# KiCad board keybird42.kicad_pcb
title: keybird42; date: 2024-01-23; rev: 2
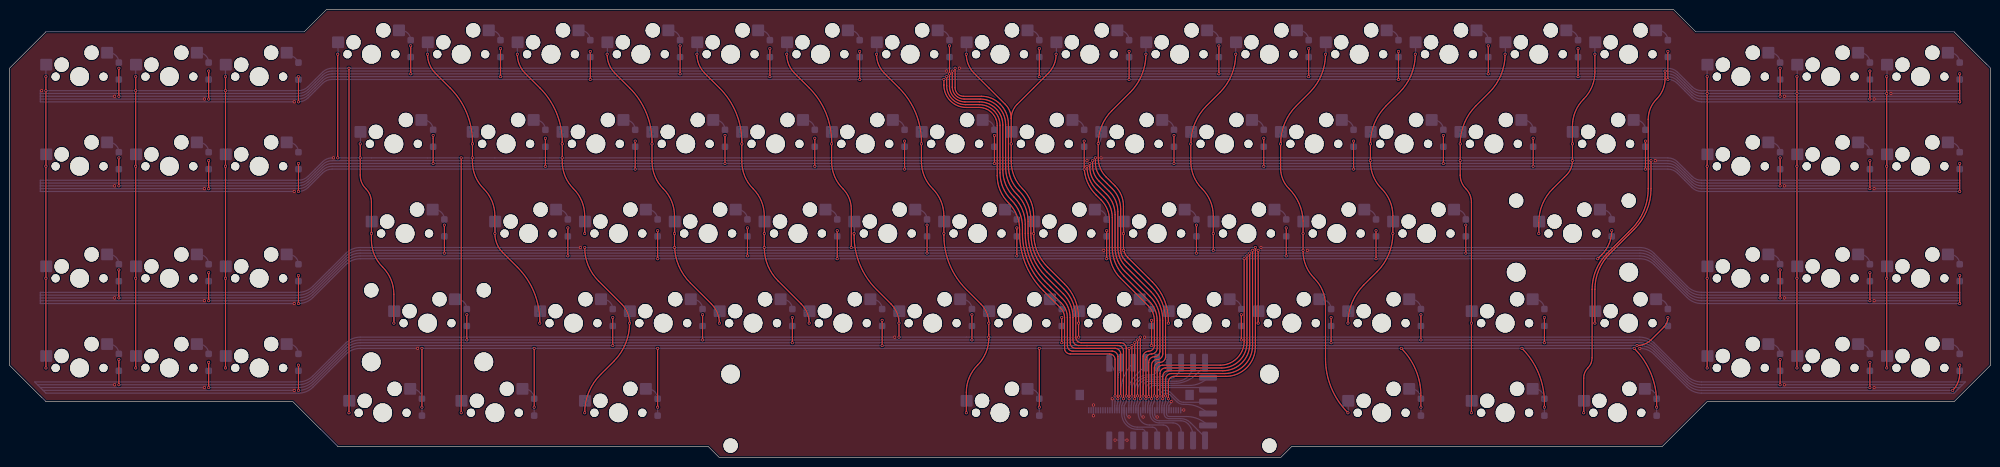
[diagram p0: board, top side]
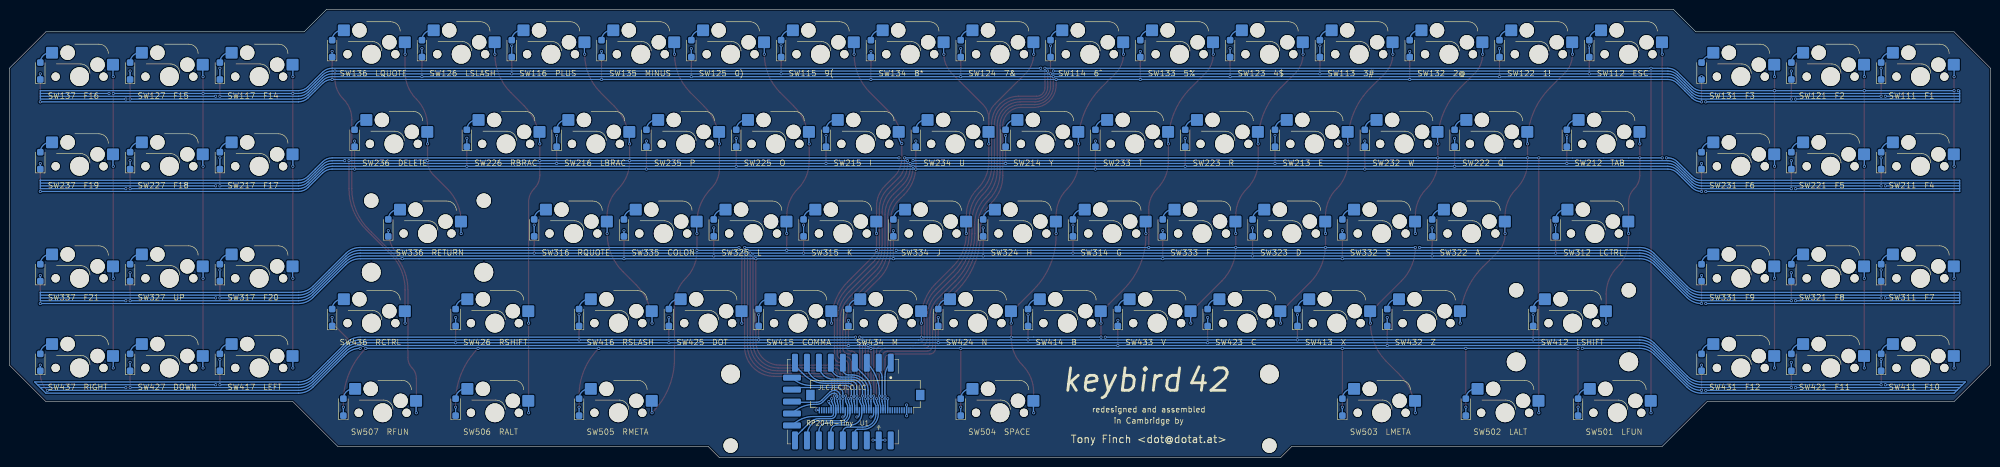
[diagram p1: board, bottom side, seen from below]

Outline 420.29 x 95.25 mm; copper layers: Top, Bottom. Coordinates in mm from the lower left corner of the outline.
Outline path: 0,82.75 0,19.65 7.74,11.91 60.13,11.91 69.65,2.38 148.23,2.38 150.61,0 269.68,0 272.06,2.38 350.64,2.38 360.16,11.91 412.55,11.91 420.29,19.65 420.29,82.75 412.55,90.49 357.78,90.49 353.02,95.25 67.27,95.25 62.51,90.49 7.74,90.49 0,82.75

## Placement (name value [footprint] x y rotation side)
D111  1N4148W  [D_SOD-123_HandSolder_Back]  23.22 82.15 0 top
D112  1N4148W  [D_SOD-123_HandSolder_Back]  85.13 86.92 0 top
D113  1N4148W  [D_SOD-123_HandSolder_Back]  142.28 86.92 0 top
D114  1N4148W  [D_SOD-123_HandSolder_Back]  199.43 86.92 0 top
D115  1N4148W  [D_SOD-123_HandSolder_Back]  256.58 86.92 0 top
D116  1N4148W  [D_SOD-123_HandSolder_Back]  313.73 86.92 0 top
D117  1N4148W  [D_SOD-123_HandSolder_Back]  375.64 82.15 0 top
D121  1N4148W  [D_SOD-123_HandSolder_Back]  42.27 82.15 0 top
D122  1N4148W  [D_SOD-123_HandSolder_Back]  104.18 86.92 0 top
D123  1N4148W  [D_SOD-123_HandSolder_Back]  161.33 86.92 0 top
D124  1N4148W  [D_SOD-123_HandSolder_Back]  218.48 86.92 0 top
D125  1N4148W  [D_SOD-123_HandSolder_Back]  275.63 86.92 0 top
D126  1N4148W  [D_SOD-123_HandSolder_Back]  332.78 86.92 0 top
D127  1N4148W  [D_SOD-123_HandSolder_Back]  394.69 82.15 0 top
D131  1N4148W  [D_SOD-123_HandSolder_Back]  61.32 82.15 0 top
D132  1N4148W  [D_SOD-123_HandSolder_Back]  123.23 86.92 0 top
D133  1N4148W  [D_SOD-123_HandSolder_Back]  180.38 86.92 0 top
D134  1N4148W  [D_SOD-123_HandSolder_Back]  237.53 86.92 0 top
D135  1N4148W  [D_SOD-123_HandSolder_Back]  294.68 86.92 0 top
D136  1N4148W  [D_SOD-123_HandSolder_Back]  351.83 86.92 0 top
D137  1N4148W  [D_SOD-123_HandSolder_Back]  413.74 82.15 0 top
D211  1N4148W  [D_SOD-123_HandSolder_Back]  23.22 63.1 0 top
D212  1N4148W  [D_SOD-123_HandSolder_Back]  89.89 67.87 0 top
D213  1N4148W  [D_SOD-123_HandSolder_Back]  151.8 67.87 0 top
D214  1N4148W  [D_SOD-123_HandSolder_Back]  208.95 67.87 0 top
D215  1N4148W  [D_SOD-123_HandSolder_Back]  247.05 67.87 0 top
D216  1N4148W  [D_SOD-123_HandSolder_Back]  304.2 67.87 0 top
D217  1N4148W  [D_SOD-123_HandSolder_Back]  375.64 63.1 0 top
D221  1N4148W  [D_SOD-123_HandSolder_Back]  42.27 63.1 0 top
D222  1N4148W  [D_SOD-123_HandSolder_Back]  113.7 67.87 0 top
D223  1N4148W  [D_SOD-123_HandSolder_Back]  170.85 67.87 0 top
D225  1N4148W  [D_SOD-123_HandSolder_Back]  266.1 67.87 0 top
D226  1N4148W  [D_SOD-123_HandSolder_Back]  323.25 67.87 0 top
D227  1N4148W  [D_SOD-123_HandSolder_Back]  394.69 63.1 0 top
D231  1N4148W  [D_SOD-123_HandSolder_Back]  61.32 63.1 0 top
D232  1N4148W  [D_SOD-123_HandSolder_Back]  132.75 67.87 0 top
D233  1N4148W  [D_SOD-123_HandSolder_Back]  189.9 67.87 0 top
D234  1N4148W  [D_SOD-123_HandSolder_Back]  228 67.87 0 top
D235  1N4148W  [D_SOD-123_HandSolder_Back]  285.15 67.87 0 top
D236  1N4148W  [D_SOD-123_HandSolder_Back]  347.07 67.87 0 top
D237  1N4148W  [D_SOD-123_HandSolder_Back]  413.74 63.1 0 top
D311  1N4148W  [D_SOD-123_HandSolder_Back]  23.22 39.29 0 top
D312  1N4148W  [D_SOD-123_HandSolder_Back]  92.27 48.82 0 top
D314  1N4148W  [D_SOD-123_HandSolder_Back]  194.67 48.82 0 top
D315  1N4148W  [D_SOD-123_HandSolder_Back]  251.82 48.82 0 top
D316  1N4148W  [D_SOD-123_HandSolder_Back]  308.97 48.82 0 top
D317  1N4148W  [D_SOD-123_HandSolder_Back]  375.64 39.29 0 top
D321  1N4148W  [D_SOD-123_HandSolder_Back]  42.27 39.29 0 top
D322  1N4148W  [D_SOD-123_HandSolder_Back]  118.47 48.82 0 top
D323  1N4148W  [D_SOD-123_HandSolder_Back]  156.57 48.82 0 top
D324  1N4148W  [D_SOD-123_HandSolder_Back]  213.72 48.82 0 top
D325  1N4148W  [D_SOD-123_HandSolder_Back]  270.87 48.82 0 top
D327  1N4148W  [D_SOD-123_HandSolder_Back]  394.69 39.29 0 top
D331  1N4148W  [D_SOD-123_HandSolder_Back]  61.32 39.29 0 top
D332  1N4148W  [D_SOD-123_HandSolder_Back]  137.52 48.82 0 top
D333  1N4148W  [D_SOD-123_HandSolder_Back]  175.62 48.82 0 top
D334  1N4148W  [D_SOD-123_HandSolder_Back]  232.77 48.82 0 top
D335  1N4148W  [D_SOD-123_HandSolder_Back]  289.92 48.82 0 top
D336  1N4148W  [D_SOD-123_HandSolder_Back]  339.92 48.82 0 top
D337  1N4148W  [D_SOD-123_HandSolder_Back]  413.74 39.29 0 top
D411  1N4148W  [D_SOD-123_HandSolder_Back]  23.22 20.24 0 top
D412  1N4148W  [D_SOD-123_HandSolder_Back]  97.04 29.77 0 top
D413  1N4148W  [D_SOD-123_HandSolder_Back]  147.04 29.77 0 top
D414  1N4148W  [D_SOD-123_HandSolder_Back]  204.19 29.77 0 top
D415  1N4148W  [D_SOD-123_HandSolder_Back]  261.34 29.77 0 top
D416  1N4148W  [D_SOD-123_HandSolder_Back]  299.44 29.77 0 top
D417  1N4148W  [D_SOD-123_HandSolder_Back]  375.64 20.24 0 top
D421  1N4148W  [D_SOD-123_HandSolder_Back]  42.27 20.24 0 top
D423  1N4148W  [D_SOD-123_HandSolder_Back]  166.09 29.77 0 top
D424  1N4148W  [D_SOD-123_HandSolder_Back]  223.24 29.77 0 top
D425  1N4148W  [D_SOD-123_HandSolder_Back]  280.39 29.77 0 top
D426  1N4148W  [D_SOD-123_HandSolder_Back]  325.64 29.77 0 top
D427  1N4148W  [D_SOD-123_HandSolder_Back]  394.69 20.24 0 top
D431  1N4148W  [D_SOD-123_HandSolder_Back]  61.32 20.24 0 top
D432  1N4148W  [D_SOD-123_HandSolder_Back]  127.99 29.77 0 top
D433  1N4148W  [D_SOD-123_HandSolder_Back]  185.14 29.77 0 top
D434  1N4148W  [D_SOD-123_HandSolder_Back]  242.29 29.77 0 top
D436  1N4148W  [D_SOD-123_HandSolder_Back]  351.83 29.77 0 top
D437  1N4148W  [D_SOD-123_HandSolder_Back]  413.74 20.24 0 top
D501  1N4148W  [D_SOD-123_HandSolder_Back]  87.51 10.72 0 top
D502  1N4148W  [D_SOD-123_HandSolder_Back]  111.32 10.72 0 top
D503  1N4148W  [D_SOD-123_HandSolder_Back]  137.52 10.72 0 top
D504  1N4148W  [D_SOD-123_HandSolder_Back]  218.48 10.72 0 top
D505  1N4148W  [D_SOD-123_HandSolder_Back]  299.44 10.72 0 top
D506  1N4148W  [D_SOD-123_HandSolder_Back]  325.64 10.72 0 top
D507  1N4148W  [D_SOD-123_HandSolder_Back]  349.45 10.72 0 top
J1  piinch FFC  [Hirose_FH12-40S-0.5SH_1x40-1MP_P0.50mm_Horizontal]  238.72 11.91 0 bottom
SW111  F1  [SW_Hotswap_Kailh_MX_1.00u]  14.88 80.96 0 top
SW112  ESC  [SW_Hotswap_Kailh_MX_1.00u]  76.8 85.73 0 top
SW113  3#  [SW_Hotswap_Kailh_MX_1.00u]  133.95 85.73 0 top
SW114  6^  [SW_Hotswap_Kailh_MX_1.00u]  191.1 85.73 0 top
SW115  9(  [SW_Hotswap_Kailh_MX_1.00u]  248.25 85.73 0 top
SW116  PLUS  [SW_Hotswap_Kailh_MX_1.00u]  305.4 85.73 0 top
SW117  F14  [SW_Hotswap_Kailh_MX_1.00u]  367.31 80.96 0 top
SW121  F2  [SW_Hotswap_Kailh_MX_1.00u]  33.93 80.96 0 top
SW122  1!  [SW_Hotswap_Kailh_MX_1.00u]  95.85 85.73 0 top
SW123  4$  [SW_Hotswap_Kailh_MX_1.00u]  153 85.73 0 top
SW124  7&  [SW_Hotswap_Kailh_MX_1.00u]  210.15 85.73 0 top
SW125  0)  [SW_Hotswap_Kailh_MX_1.00u]  267.3 85.73 0 top
SW126  LSLASH  [SW_Hotswap_Kailh_MX_1.00u]  324.45 85.73 0 top
SW127  F15  [SW_Hotswap_Kailh_MX_1.00u]  386.36 80.96 0 top
SW131  F3  [SW_Hotswap_Kailh_MX_1.00u]  52.98 80.96 0 top
SW132  2@  [SW_Hotswap_Kailh_MX_1.00u]  114.9 85.73 0 top
SW133  5%  [SW_Hotswap_Kailh_MX_1.00u]  172.05 85.73 0 top
SW134  8*  [SW_Hotswap_Kailh_MX_1.00u]  229.2 85.73 0 top
SW135  MINUS  [SW_Hotswap_Kailh_MX_1.00u]  286.35 85.73 0 top
SW136  LQUOTE  [SW_Hotswap_Kailh_MX_1.00u]  343.5 85.73 0 top
SW137  F16  [SW_Hotswap_Kailh_MX_1.00u]  405.41 80.96 0 top
SW211  F4  [SW_Hotswap_Kailh_MX_1.00u]  14.88 61.91 0 top
SW212  TAB  [SW_Hotswap_Kailh_MX_1.50u]  81.56 66.68 0 top
SW213  E  [SW_Hotswap_Kailh_MX_1.00u]  143.47 66.68 0 top
SW214  Y  [SW_Hotswap_Kailh_MX_1.00u]  200.62 66.68 0 top
SW215  I  [SW_Hotswap_Kailh_MX_1.00u]  238.72 66.68 0 top
SW216  LBRAC  [SW_Hotswap_Kailh_MX_1.00u]  295.87 66.68 0 top
SW217  F17  [SW_Hotswap_Kailh_MX_1.00u]  367.31 61.91 0 top
SW221  F5  [SW_Hotswap_Kailh_MX_1.00u]  33.93 61.91 0 top
SW222  Q  [SW_Hotswap_Kailh_MX_1.00u]  105.37 66.68 0 top
SW223  R  [SW_Hotswap_Kailh_MX_1.00u]  162.52 66.68 0 top
SW225  O  [SW_Hotswap_Kailh_MX_1.00u]  257.77 66.68 0 top
SW226  RBRAC  [SW_Hotswap_Kailh_MX_1.00u]  314.92 66.68 0 top
SW227  F18  [SW_Hotswap_Kailh_MX_1.00u]  386.36 61.91 0 top
SW231  F6  [SW_Hotswap_Kailh_MX_1.00u]  52.98 61.91 0 top
SW232  W  [SW_Hotswap_Kailh_MX_1.00u]  124.42 66.68 0 top
SW233  T  [SW_Hotswap_Kailh_MX_1.00u]  181.57 66.68 0 top
SW234  U  [SW_Hotswap_Kailh_MX_1.00u]  219.67 66.68 0 top
SW235  P  [SW_Hotswap_Kailh_MX_1.00u]  276.82 66.68 0 top
SW236  DELETE  [SW_Hotswap_Kailh_MX_1.50u]  338.73 66.68 0 top
SW237  F19  [SW_Hotswap_Kailh_MX_1.00u]  405.41 61.91 0 top
SW311  F7  [SW_Hotswap_Kailh_MX_1.00u]  14.88 38.1 0 top
SW312  LCTRL  [SW_Hotswap_Kailh_MX_1.75u]  83.94 47.63 0 top
SW314  G  [SW_Hotswap_Kailh_MX_1.00u]  186.33 47.63 0 top
SW315  K  [SW_Hotswap_Kailh_MX_1.00u]  243.48 47.63 0 top
SW316  RQUOTE  [SW_Hotswap_Kailh_MX_1.00u]  300.63 47.63 0 top
SW317  F20  [SW_Hotswap_Kailh_MX_1.00u]  367.31 38.1 0 top
SW321  F8  [SW_Hotswap_Kailh_MX_1.00u]  33.93 38.1 0 top
SW322  A  [SW_Hotswap_Kailh_MX_1.00u]  110.13 47.63 0 top
SW323  D  [SW_Hotswap_Kailh_MX_1.00u]  148.23 47.63 0 top
SW324  H  [SW_Hotswap_Kailh_MX_1.00u]  205.38 47.63 0 top
SW325  L  [SW_Hotswap_Kailh_MX_1.00u]  262.53 47.63 0 top
SW327  UP  [SW_Hotswap_Kailh_MX_1.00u]  386.36 38.1 0 top
SW331  F9  [SW_Hotswap_Kailh_MX_1.00u]  52.98 38.1 0 top
SW332  S  [SW_Hotswap_Kailh_MX_1.00u]  129.18 47.63 0 top
SW333  F  [SW_Hotswap_Kailh_MX_1.00u]  167.28 47.63 0 top
SW334  J  [SW_Hotswap_Kailh_MX_1.00u]  224.43 47.63 0 top
SW335  COLON  [SW_Hotswap_Kailh_MX_1.00u]  281.58 47.63 0 top
SW336  RETURN  [SW_Hotswap_Kailh_MX_2.25u]  331.59 47.63 0 top
SW337  F21  [SW_Hotswap_Kailh_MX_1.00u]  405.41 38.1 0 top
SW411  F10  [SW_Hotswap_Kailh_MX_1.00u]  14.88 19.05 0 top
SW412  LSHIFT  [SW_Hotswap_Kailh_MX_2.25u]  88.7 28.58 0 top
SW413  X  [SW_Hotswap_Kailh_MX_1.00u]  138.71 28.58 0 top
SW414  B  [SW_Hotswap_Kailh_MX_1.00u]  195.86 28.58 0 top
SW415  COMMA  [SW_Hotswap_Kailh_MX_1.00u]  253.01 28.58 0 top
SW416  RSLASH  [SW_Hotswap_Kailh_MX_1.00u]  291.11 28.58 0 top
SW417  LEFT  [SW_Hotswap_Kailh_MX_1.00u]  367.31 19.05 0 top
SW421  F11  [SW_Hotswap_Kailh_MX_1.00u]  33.93 19.05 0 top
SW423  C  [SW_Hotswap_Kailh_MX_1.00u]  157.76 28.58 0 top
SW424  N  [SW_Hotswap_Kailh_MX_1.00u]  214.91 28.58 0 top
SW425  DOT  [SW_Hotswap_Kailh_MX_1.00u]  272.06 28.58 0 top
SW426  RSHIFT  [SW_Hotswap_Kailh_MX_1.75u]  317.3 28.58 0 top
SW427  DOWN  [SW_Hotswap_Kailh_MX_1.00u]  386.36 19.05 0 top
SW431  F12  [SW_Hotswap_Kailh_MX_1.00u]  52.98 19.05 0 top
SW432  Z  [SW_Hotswap_Kailh_MX_1.00u]  119.66 28.58 0 top
SW433  V  [SW_Hotswap_Kailh_MX_1.00u]  176.81 28.58 0 top
SW434  M  [SW_Hotswap_Kailh_MX_1.00u]  233.96 28.58 0 top
SW436  RCTRL  [SW_Hotswap_Kailh_MX_1.00u]  343.5 28.58 0 top
SW437  RIGHT  [SW_Hotswap_Kailh_MX_1.00u]  405.41 19.05 0 top
SW501  LFUN  [SW_Hotswap_Kailh_MX_1.25u]  79.18 9.53 0 top
SW502  LALT  [SW_Hotswap_Kailh_MX_1.25u]  102.99 9.53 0 top
SW503  LMETA  [SW_Hotswap_Kailh_MX_1.50u]  129.18 9.53 0 top
SW504  SPACE  [SW_Hotswap_Kailh_MX_7.00u]  210.15 9.53 0 top
SW505  RMETA  [SW_Hotswap_Kailh_MX_1.50u]  291.11 9.53 0 top
SW506  RALT  [SW_Hotswap_Kailh_MX_1.25u]  317.3 9.53 0 top
SW507  RFUN  [SW_Hotswap_Kailh_MX_1.25u]  341.11 9.53 0 top
U1  -  [RP2040-Tiny]  243.48 11.91 0 top

## Library data of the parts
D111-D117 D121-D127 D131-D137 D211-D217 D221-D223 D225-D227 D231-D237 D311 D312 D314-D317 D321-D325 D327 D331-D337 D411-D417 D421 D423-D427 D431-D434 D436 D437 D501-D507 = -: Description: 75V 0.15A Fast Switching Diode, SOD-123; Sim.Device: D; Sim.Pins: 1=K 2=A
J1 = -: Description: piinch flat flex cable connector
SW111-SW117 SW121-SW127 SW131-SW137 SW211 SW213-SW217 SW221-SW223 SW225-SW227 SW231-SW235 SW237 SW311 SW314-SW317 SW321-SW325 SW327 SW331-SW335 SW337 SW411 SW413-SW417 SW421 SW423-SW425 SW427 SW431-SW434 SW436 SW437 = -: Description: 1.00u Cherry MX keyswitch in Kailh hotswap socket
SW212 SW236 SW503 SW505 = -: Description: 1.50u Cherry MX keyswitch in Kailh hotswap socket
SW312 SW426 = -: Description: 1.75u Cherry MX keyswitch in Kailh hotswap socket
SW336 SW412 = -: Description: 2.25u Cherry MX keyswitch in Kailh hotswap socket
SW501 SW502 SW506 SW507 = -: Description: 1.25u Cherry MX keyswitch in Kailh hotswap socket
SW504 = -: Description: 7.00u Cherry MX keyswitch in Kailh hotswap socket
U1 = -: Description: Waveshare RP2040-Tiny

## Footprints (pads in the part's own frame, mm; a bottom-side part is the same pattern mirrored in y, then rotated)
D_SOD-123_HandSolder_Back
  rrect 1.4x1.4 smd far side: 1(0,-1.8) 2(0,1.8)
Hirose_FH12-40S-0.5SH_1x40-1MP_P0.50mm_Horizontal
  rect 0.3x1.3 smd: 1(-9.75,1.85) 2(-9.25,1.85) 3(-8.75,1.85) 4(-8.25,1.85) 5(-7.75,1.85) 6(-7.25,1.85) 7(-6.75,1.85) 8(-6.25,1.85) 9(-5.75,1.85) 10(-5.25,1.85) 11(-4.75,1.85) 12(-4.25,1.85) 13(-3.75,1.85) 14(-3.25,1.85) 15(-2.75,1.85) 16(-2.25,1.85) 17(-1.75,1.85) 18(-1.25,1.85) 19(-0.75,1.85) 20(-0.25,1.85) 21(0.25,1.85) 22(0.75,1.85) 23(1.25,1.85) 24(1.75,1.85) 25(2.25,1.85) 26(2.75,1.85) 27(3.25,1.85) 28(3.75,1.85) 29(4.25,1.85) 30(4.75,1.85) 31(5.25,1.85) 32(5.75,1.85) 33(6.25,1.85) 34(6.75,1.85) 35(7.25,1.85) 36(7.75,1.85) 37(8.25,1.85) 38(8.75,1.85) 39(9.25,1.85) 40(9.75,1.85)
  rect 1.8x2.2 smd: MP(-11.65,-1.4) MP(11.65,-1.4)
RP2040-Tiny
  rrect 1.27x3.81 smd far side: 0(-10.16,8.255) 1(-7.62,8.255) 2(-5.08,8.255) 3(-2.54,8.255) 4(0,8.255) 5(2.54,8.255) 6(5.08,8.255) 7(7.62,8.255) 8(10.16,8.255) 14(10.16,-8.255) 15(7.62,-8.255) 16(5.08,-8.255) 17(2.54,-8.255) 18(0,-8.255) 19(-2.54,-8.255) 20(-5.08,-8.255) 21(-7.62,-8.255) 22(-10.16,-8.255)
  rrect 3.81x1.27 smd far side: 9(10.795,5.08) 10(10.795,2.54) 11(10.795,0) 12(10.795,-2.54) 13(10.795,-5.08)
SW_Hotswap_Kailh_MX_1.00u
  round 1.75 hole 1.75 unplated: (-5.08,0) (5.08,0)
  round 3.05 hole 3.05 unplated: (-3.81,2.54) (2.54,5.08)
  round 4 hole 4 unplated: (0,0)
  rrect 2.55x2.5 smd far side: 1(-7.085,2.54) 2(5.842,5.08)
SW_Hotswap_Kailh_MX_1.25u
  round 1.75 hole 1.75 unplated: (-5.08,0) (5.08,0)
  round 3.05 hole 3.05 unplated: (-3.81,2.54) (2.54,5.08)
  round 4 hole 4 unplated: (0,0)
  rrect 2.55x2.5 smd far side: 1(-7.085,2.54) 2(5.842,5.08)
SW_Hotswap_Kailh_MX_1.50u
  round 1.75 hole 1.75 unplated: (-5.08,0) (5.08,0)
  round 3.05 hole 3.05 unplated: (-3.81,2.54) (2.54,5.08)
  round 4 hole 4 unplated: (0,0)
  rrect 2.55x2.5 smd far side: 1(-7.085,2.54) 2(5.842,5.08)
SW_Hotswap_Kailh_MX_1.75u
  round 1.75 hole 1.75 unplated: (-5.08,0) (5.08,0)
  round 3.05 hole 3.05 unplated: (-3.81,2.54) (2.54,5.08)
  round 4 hole 4 unplated: (0,0)
  rrect 2.55x2.5 smd far side: 1(-7.085,2.54) 2(5.842,5.08)
SW_Hotswap_Kailh_MX_2.25u
  round 3.048 hole 3.048 unplated: (-11.938,6.985) (11.938,6.985)
  round 3.988 hole 3.988 unplated: (-11.938,-8.225) (11.938,-8.225)
  round 1.75 hole 1.75 unplated: (-5.08,0) (5.08,0)
  round 3.05 hole 3.05 unplated: (-3.81,2.54) (2.54,5.08)
  round 4 hole 4 unplated: (0,0)
  rrect 2.55x2.5 smd far side: 1(-7.085,2.54) 2(5.842,5.08)
SW_Hotswap_Kailh_MX_7.00u
  round 3.988 hole 3.988 unplated: (-57.15,8.225) (57.15,8.225)
  round 3.048 hole 3.048 unplated: (-57.15,-6.985) (57.15,-6.985)
  round 1.75 hole 1.75 unplated: (-5.08,0) (5.08,0)
  round 3.05 hole 3.05 unplated: (-3.81,2.54) (2.54,5.08)
  round 4 hole 4 unplated: (0,0)
  rrect 2.55x2.5 smd far side: 1(-7.085,2.54) 2(5.842,5.08)

## Nets
GND: J1.3 J1.11 J1.17 J1.23 J1.29 J1.35 J1.40 U1.21
/COL1: J1.16 SW111.1 SW121.1 SW131.1 SW211.1 SW221.1 SW231.1 SW311.1 SW321.1 SW331.1 SW411.1 SW421.1 SW431.1 SW501.1 U1.18
/COL2: J1.28 SW112.1 SW122.1 SW132.1 SW212.1 SW222.1 SW232.1 SW312.1 SW322.1 SW332.1 SW412.1 SW432.1 SW502.1 U1.15
/COL3: J1.34 SW113.1 SW123.1 SW133.1 SW213.1 SW223.1 SW233.1 SW323.1 SW333.1 SW413.1 SW423.1 SW433.1 SW503.1 U1.13
/COL4: J1.22 SW114.1 SW124.1 SW134.1 SW214.1 SW234.1 SW314.1 SW324.1 SW334.1 SW414.1 SW424.1 SW434.1 SW504.1 U1.17
/COL5: J1.33 SW115.1 SW125.1 SW135.1 SW215.1 SW225.1 SW235.1 SW315.1 SW325.1 SW335.1 SW415.1 SW425.1 SW505.1 U1.14
/COL6: J1.27 SW116.1 SW126.1 SW136.1 SW216.1 SW226.1 SW236.1 SW316.1 SW336.1 SW416.1 SW426.1 SW436.1 SW506.1 U1.16
/COL7: J1.15 SW117.1 SW127.1 SW137.1 SW217.1 SW227.1 SW237.1 SW317.1 SW327.1 SW337.1 SW417.1 SW427.1 SW437.1 SW507.1 U1.19
/ROW11: D111.1 D112.1 D113.1 D114.1 D115.1 D116.1 D117.1 J1.14 U1.2
/ROW12: D121.1 D122.1 D123.1 D124.1 D125.1 D126.1 D127.1 J1.13 U1.1
/ROW13: D131.1 D132.1 D133.1 D134.1 D135.1 D136.1 D137.1 J1.12 U1.0
/ROW21: D211.1 D212.1 D213.1 D214.1 D215.1 D216.1 D217.1 J1.26 U1.9
/ROW22: D221.1 D222.1 D223.1 D225.1 D226.1 D227.1 J1.25 U1.8
/ROW23: D231.1 D232.1 D233.1 D234.1 D235.1 D236.1 D237.1 J1.24 U1.7
/ROW31: D311.1 D312.1 D314.1 D315.1 D316.1 D317.1 J1.32 U1.12
/ROW32: D321.1 D322.1 D323.1 D324.1 D325.1 D327.1 J1.31 U1.11
/ROW33: D331.1 D332.1 D333.1 D334.1 D335.1 D336.1 D337.1 J1.30 U1.10
/ROW41: D411.1 D412.1 D413.1 D414.1 D415.1 D416.1 D417.1 J1.21 U1.6
/ROW42: D421.1 D423.1 D424.1 D425.1 D426.1 D427.1 J1.20 U1.5
/ROW43: D431.1 D432.1 D433.1 D434.1 D436.1 D437.1 J1.19 U1.4
/ROW50: D501.1 D502.1 D503.1 D504.1 D505.1 D506.1 D507.1 J1.18 U1.3
Net-(D111-A): D111.2 SW111.2
Net-(D112-A): D112.2 SW112.2
Net-(D113-A): D113.2 SW113.2
Net-(D114-A): D114.2 SW114.2
Net-(D115-A): D115.2 SW115.2
Net-(D116-A): D116.2 SW116.2
Net-(D117-A): D117.2 SW117.2
Net-(D121-A): D121.2 SW121.2
Net-(D122-A): D122.2 SW122.2
Net-(D123-A): D123.2 SW123.2
Net-(D124-A): D124.2 SW124.2
Net-(D125-A): D125.2 SW125.2
Net-(D126-A): D126.2 SW126.2
Net-(D127-A): D127.2 SW127.2
Net-(D131-A): D131.2 SW131.2
Net-(D132-A): D132.2 SW132.2
Net-(D133-A): D133.2 SW133.2
Net-(D134-A): D134.2 SW134.2
Net-(D135-A): D135.2 SW135.2
Net-(D136-A): D136.2 SW136.2
Net-(D137-A): D137.2 SW137.2
Net-(D211-A): D211.2 SW211.2
Net-(D212-A): D212.2 SW212.2
Net-(D213-A): D213.2 SW213.2
Net-(D214-A): D214.2 SW214.2
Net-(D215-A): D215.2 SW215.2
Net-(D216-A): D216.2 SW216.2
Net-(D217-A): D217.2 SW217.2
Net-(D221-A): D221.2 SW221.2
Net-(D222-A): D222.2 SW222.2
Net-(D223-A): D223.2 SW223.2
Net-(D225-A): D225.2 SW225.2
Net-(D226-A): D226.2 SW226.2
Net-(D227-A): D227.2 SW227.2
Net-(D231-A): D231.2 SW231.2
Net-(D232-A): D232.2 SW232.2
Net-(D233-A): D233.2 SW233.2
Net-(D234-A): D234.2 SW234.2
Net-(D235-A): D235.2 SW235.2
Net-(D236-A): D236.2 SW236.2
Net-(D237-A): D237.2 SW237.2
Net-(D311-A): D311.2 SW311.2
Net-(D312-A): D312.2 SW312.2
Net-(D314-A): D314.2 SW314.2
Net-(D315-A): D315.2 SW315.2
Net-(D316-A): D316.2 SW316.2
Net-(D317-A): D317.2 SW317.2
Net-(D321-A): D321.2 SW321.2
Net-(D322-A): D322.2 SW322.2
Net-(D323-A): D323.2 SW323.2
Net-(D324-A): D324.2 SW324.2
Net-(D325-A): D325.2 SW325.2
Net-(D327-A): D327.2 SW327.2
Net-(D331-A): D331.2 SW331.2
Net-(D332-A): D332.2 SW332.2
Net-(D333-A): D333.2 SW333.2
Net-(D334-A): D334.2 SW334.2
Net-(D335-A): D335.2 SW335.2
Net-(D336-A): D336.2 SW336.2
Net-(D337-A): D337.2 SW337.2
Net-(D411-A): D411.2 SW411.2
Net-(D412-A): D412.2 SW412.2
Net-(D413-A): D413.2 SW413.2
Net-(D414-A): D414.2 SW414.2
Net-(D415-A): D415.2 SW415.2
Net-(D416-A): D416.2 SW416.2
Net-(D417-A): D417.2 SW417.2
Net-(D421-A): D421.2 SW421.2
Net-(D423-A): D423.2 SW423.2
Net-(D424-A): D424.2 SW424.2
Net-(D425-A): D425.2 SW425.2
Net-(D426-A): D426.2 SW426.2
Net-(D427-A): D427.2 SW427.2
Net-(D431-A): D431.2 SW431.2
Net-(D432-A): D432.2 SW432.2
Net-(D433-A): D433.2 SW433.2
Net-(D434-A): D434.2 SW434.2
Net-(D436-A): D436.2 SW436.2
Net-(D437-A): D437.2 SW437.2
Net-(D501-A): D501.2 SW501.2
Net-(D502-A): D502.2 SW502.2
Net-(D503-A): D503.2 SW503.2
Net-(D504-A): D504.2 SW504.2
Net-(D505-A): D505.2 SW505.2
Net-(D506-A): D506.2 SW506.2
Net-(D507-A): D507.2 SW507.2

Pads without a net: J1 1 2 4 5 6 7 8 9 10 36 37 38 39 MP; U1 20 22

## Via types
v1: diameter 0.635, hole 0.381, Top to Bottom, 370 vias

## Routing (per net, layer and track width the routed paths; a pad name or vN(x,y) marks a point on that pad's centre or on a via; arc(x,y) is an arc through that point)
GND: length 2792.5
  Bottom w0.254: J1.23 239.97,9.17 arc(240.13,8.79) v1(240.51,8.63) ; 349.45,63.1 351.83,63.1 arc(351.83,63.1) 351.83,63.1 arc(352.93,62.88) 353.86,62.26 356.94,59.18 arc(357.87,58.56) 358.97,58.34 413.74,58.34 ; v1(240.8,25.6) 345.88,25.6 arc(347.53,25.27) 348.93,24.34 355.92,17.34 arc(357.32,16.4) 358.97,16.07 414.93,16.07 412.55,13.69 358.97,13.69 arc(357.32,14.02) 355.92,14.96 348.93,21.95 arc(347.53,22.89) v1(345.88,23.22) ; 6.55,34.53 61.32,34.53 arc(62.97,34.86) 64.37,35.79 71.36,42.79 arc(72.76,43.72) 74.41,44.05 v1(232.17,44.05) ; v1(275.33,44.05) 345.88,44.05 arc(347.53,43.72) 348.93,42.79 355.92,35.79 arc(357.32,34.86) 358.97,34.53 413.74,34.53 ; 6.55,77.39 61.32,77.39 arc(62.42,77.61) 63.35,78.23 66.43,81.31 arc(67.36,81.93) 68.46,82.15 v1(198.83,82.15) ; v1(22.32,57.75) 6.55,57.75 ; v1(22.32,33.93) 6.55,33.93 ; 413.74,33.93 v1(376.53,33.93) ; v1(60.42,14.29) 7.14,14.29 ; 413.74,76.8 v1(376.53,76.8) ; v1(395.58,76.2) 413.74,76.2 413.74,77.99 358.97,77.99 arc(357.87,78.2) 356.94,78.83 353.86,81.91 arc(352.93,82.53) 351.83,82.75 v1(201.51,82.75) ; v1(395.58,57.15) 413.74,57.15 413.74,58.94 358.97,58.94 arc(357.87,59.15) 356.94,59.78 353.86,62.86 arc(352.93,63.48) 351.83,63.7 v1(231.58,63.7) ; v1(41.37,57.15) 6.55,57.15 ; v1(237.08,3.72) 236.03,3.72 arc(235.94,3.7) U1.21 arc(235.79,3.7) 235.69,3.72 v1(234.55,3.72) ; v1(60.42,75.6) 6.55,75.6 6.55,77.99 v1(6.85,77.99) ; J1.17 236.97,9.19 arc(237.13,8.8) v1(237.53,8.63) ; v1(41.37,76.2) 6.55,76.2 ; 413.74,77.39 v1(399.16,77.39) ; 413.74,14.88 395.61,14.88 v1(395.58,14.86) ; v1(376.53,57.75) 413.74,57.75 ; J1.40 248.98,10.06 arc(249.07,10.07) v1(249.14,10.12) ; J1.29 242.97,9.14 arc(243.12,8.78) v1(243.48,8.63) ; J1.11 233.97,12.49 arc(233.97,12.5) v1(233.96,12.5) ; v1(187.82,25.6) 74.41,25.6 arc(72.76,25.27) 71.37,24.34 64.37,17.34 arc(62.97,16.4) 61.32,16.07 5.36,16.07 7.74,13.69 61.32,13.69 arc(62.97,14.02) 64.37,14.96 71.37,21.95 arc(72.76,22.89) 74.41,23.22 v1(86.62,23.22) ; v1(41.37,14.88) 6.55,14.88 ; v1(22.32,76.8) 6.55,76.8 ; v1(265.51,44.65) 345.88,44.65 arc(347.53,44.32) 348.93,43.39 355.92,36.39 arc(357.32,35.45) 358.97,35.12 413.74,35.12 413.74,33.34 v1(395.58,33.34) ; v1(41.37,33.34) 6.55,33.34 ; 414.34,15.48 v1(376.53,15.48) ; v1(246.46,11.91) 246.46,11.61 245.97,11.01 J1.35 ; v1(228.6,63.1) 68.46,63.1 arc(67.36,62.88) 66.43,62.26 63.35,59.18 arc(62.42,58.56) 61.32,58.34 6.55,58.34 ; v1(60.42,32.74) 6.55,32.74 6.55,35.12 61.32,35.12 arc(62.97,35.45) 64.37,36.39 71.37,43.39 arc(72.76,44.32) 74.41,44.65 v1(121.15,44.65) ; v1(22.32,15.48) 5.95,15.48 ; 68.76,63.7 68.3,63.7 arc(67.29,63.45) 66.43,62.86 63.35,59.78 arc(62.42,59.15) 61.32,58.94 6.55,58.94 6.55,56.55 v1(60.42,56.55) ; v1(229.96,8.89) v1(229.96,11.18)
  vias: v1(68.76,63.7) v1(349.15,63.1)
(no net): length 3
  Bottom w0.254: 235.74,44.05 232.77,44.05
/COL1: length 592.7
  Top w0.254: v1(200.62,82.75) 200.62,78.58 arc(201.14,77.32) 202.41,76.8 206.19,76.8 arc(208.33,76.37) 210.15,75.16 arc(211.47,73.18) 211.93,70.85 211.93,61.93 arc(212.48,59.16) 214.05,56.82 214.16,56.7 arc(216.04,53.9) 216.69,50.59 216.69,47.63 arc(217.57,43.23) 220.06,39.49 223.69,35.86 arc(225.56,33.07) 226.22,29.77 226.22,25.6 ; v1(72.03,9.53) v1(72.03,82.75) ; v1(45.84,19.05) v1(45.84,38.1) v1(45.84,61.91) 45.84,80.9 ; v1(7.74,80.96) v1(7.74,61.91) v1(7.74,38.1) v1(7.74,19.05) ; v1(236.93,13.1) 236.93,23.22 arc(236.59,24.06) 235.74,24.41 227.41,24.41 arc(226.57,24.76) 226.22,25.6 ; 26.79,80.9 v1(26.79,61.91) v1(26.79,38.1) v1(26.79,19.05)
  Bottom w0.254: v1(7.74,38.1) 7.74,40.58 ; v1(200.62,82.75) v1(72.03,82.75) 68.46,82.75 arc(67.36,82.53) 66.43,81.91 63.35,78.83 arc(62.42,78.2) 61.32,77.99 v1(26.79,77.99) v1(7.74,77.99) ; 45.84,19.11 45.84,21.59 ; SW501.1 72.09,9.58 arc(72.07,9.54) v1(72.03,9.53) ; v1(45.84,80.96) 45.84,83.5 ; 7.74,61.97 7.74,64.45 ; U1.18 243.48,5.44 arc(243.18,6.17) 242.45,6.47 239.27,6.47 arc(237.29,7.29) 236.47,9.27 J1.16 236.47,11.01 236.93,11.91 v1(236.93,13.1) ; 26.79,19.11 26.79,21.59 ; v1(26.79,38.1) 26.79,40.58 ; 26.79,61.97 26.79,64.45 ; v1(45.84,38.1) 45.84,40.58 ; 45.84,61.97 45.84,64.45 ; v1(26.79,80.96) 26.79,83.5 ; 7.74,19.11 7.74,21.59 ; v1(7.74,80.96) 7.74,83.5